# EAGLE board Mk4 Final Panel 8up 4x2 (EAGLE 9.0.1), part 17 of 23 (continued)
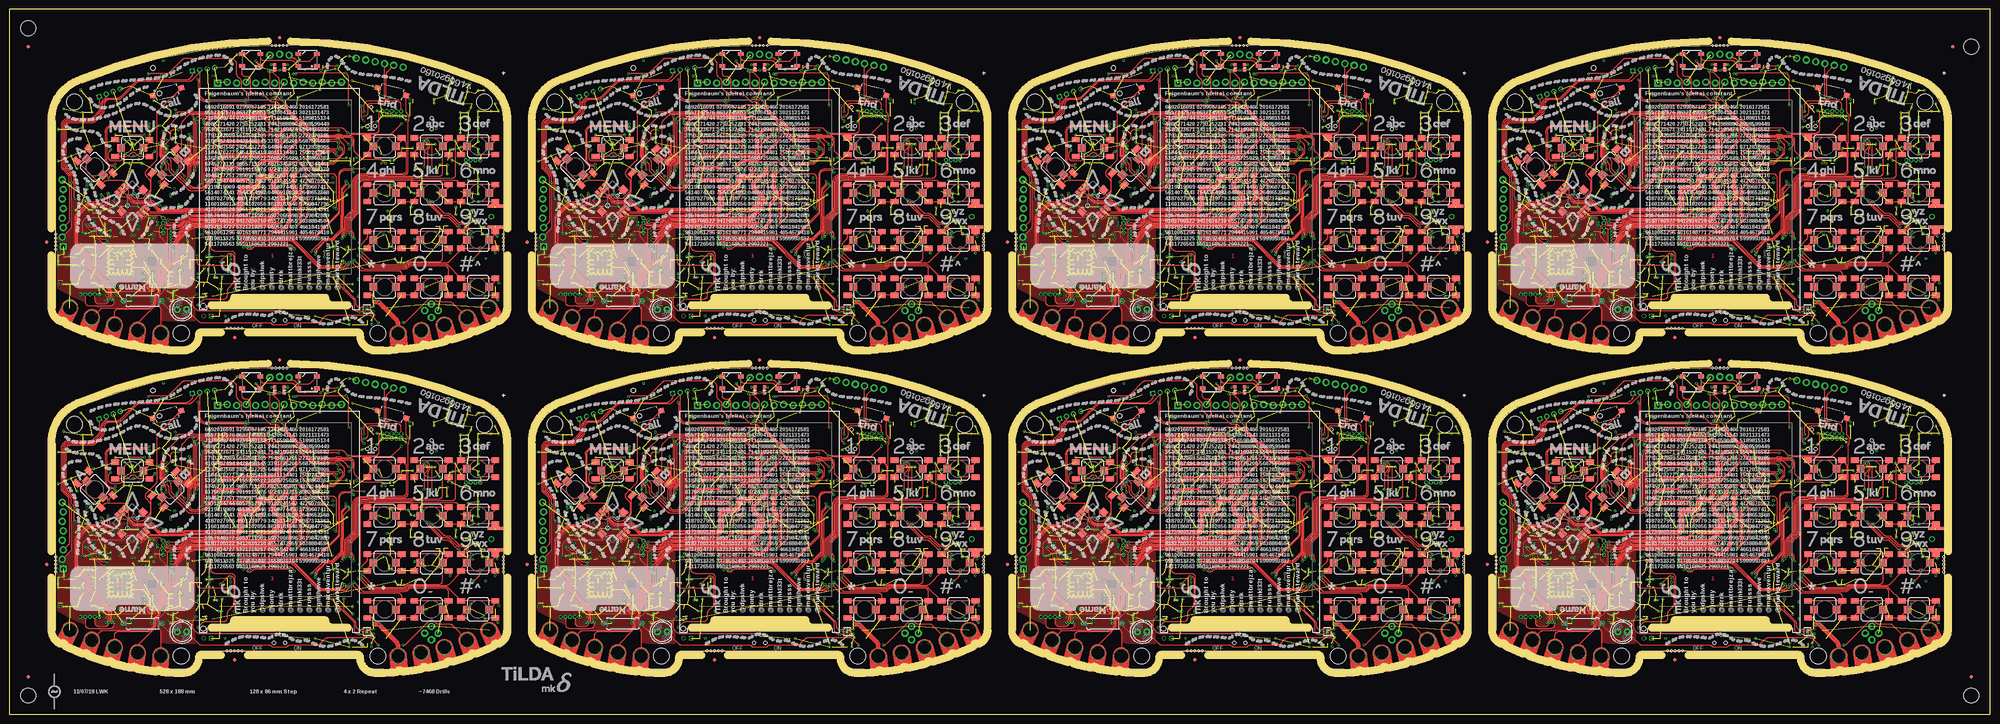
[diagram p0: board, top side]
## Tracks (layer width: path | path; a pad name or v marks a point on that pad's centre or on a via) (continued)
SDRAM_BA0  (via drill 0.3)
  Top 0.15: v50,60 50,60.38 arc-45 50.15,60.73 50.29,60.88 arc90 50.29,62.87 arc-45 50,63.57 v50,72 50.73,72.73 arc-45 51.44,73.03 51.76,73.03 arc-45 52.11,72.88 52.17,72.82 arc45 52.52,72.67 53.39,72.67 arc45 53.74,72.82 53.92,73.01 arc-45 54.63,73.3 56.96,73.3 57.15,73.11 arc90 57.85,73.11 58.02,73.28 67.69,73.28 arc-45 68.05,73.13 68.25,72.93 arc45 68.45,72.84 arc-45 68.8,72.7 v70,71.5
  Bottom 0.15: IC2.50 49.9,71.9 v50,72 | IC2.20 53.91,59.9 arc-45 53.81,59.94 arc45 53.67,60 v50,60 | v70,71.5 arc45 70.2,71.98 IC1.76
SDRAM_BA1  (via drill 0.3)
  Top 0.15: v49.5,59 49.48,59.02 49.48,60.07 arc-45 49.77,60.78 49.98,60.99 arc90 49.98,62.76 49.77,62.97 arc-45 49.48,63.67 49.48,72.72 v49.5,72.75 49.96,73.21 arc-45 50.66,73.5 52.09,73.5 arc-45 52.8,73.21 52.88,73.13 arc90 53.62,73.13 53.8,73.31 arc-45 54.51,73.6 56.86,73.6 57.15,73.89 arc-90 57.85,73.89 58.17,73.58 67.82,73.58 arc-45 68.17,73.43 68.31,73.29 arc45 68.66,73.15 69.5,73.15 arc-90 70.5,72.15 70.5,72.1 arc45 v70.75,71.5
  Bottom 0.15: v49.5,59 54.28,59 IC2.21 | v49.5,72.75 49.45,72.7 IC2.51 | v70.75,71.5 arc-45 70.6,71.86 IC1.77
SDRAM_BA2  (via drill 0.3)
  Top 0.15: v177.5,59 177.47,59.02 177.47,60.07 arc-45 177.77,60.78 177.98,60.99 arc90 177.98,62.76 177.77,62.97 arc-45 177.47,63.67 177.47,72.72 v177.5,72.75 177.96,73.21 arc-45 178.66,73.5 180.09,73.5 arc-45 180.8,73.21 180.88,73.13 arc90 181.62,73.13 181.8,73.31 arc-45 182.51,73.6 184.86,73.6 185.15,73.89 arc-90 185.85,73.89 186.17,73.58 195.82,73.58 arc-45 196.17,73.43 196.31,73.29 arc45 196.66,73.15 197.5,73.15 arc-90 198.5,72.15 198.5,72.1 arc45 v198.75,71.5
  Bottom 0.15: v177.5,59 182.28,59 IC19.21 | v177.5,72.75 177.45,72.7 IC19.51 | v198.75,71.5 arc-45 198.6,71.86 IC20.77
SDRAM_BA3  (via drill 0.3)
  Top 0.15: v178,60 178,60.38 arc-45 178.15,60.73 178.29,60.88 arc90 178.29,62.87 arc-45 178,63.57 v178,72 178.73,72.73 arc-45 179.44,73.03 179.76,73.03 arc-45 180.11,72.88 180.17,72.82 arc45 180.53,72.67 181.38,72.67 arc45 181.74,72.82 181.92,73.01 arc-45 182.63,73.3 184.96,73.3 185.15,73.11 arc90 185.85,73.11 186.02,73.28 195.69,73.28 arc-45 196.05,73.13 196.25,72.93 arc45 196.45,72.84 arc-45 196.8,72.7 v198,71.5
  Bottom 0.15: IC19.50 177.9,71.9 v178,72 | IC19.20 181.91,59.9 arc-45 181.81,59.94 arc45 181.67,60 v178,60 | v198,71.5 arc45 198.2,71.98 IC20.76
SDRAM_BA4  (via drill 0.3)
  Top 0.15: v49.5,145 49.48,145.03 49.48,146.07 arc-45 49.77,146.78 49.98,146.99 arc90 49.98,148.76 49.77,148.97 arc-45 49.48,149.67 49.48,158.72 v49.5,158.75 49.96,159.21 arc-45 50.66,159.5 52.09,159.5 arc-45 52.8,159.21 52.88,159.13 arc90 53.62,159.13 53.8,159.31 arc-45 54.51,159.6 56.86,159.6 57.15,159.89 arc-90 57.85,159.89 58.17,159.57 67.82,159.57 arc-45 68.17,159.43 68.31,159.29 arc45 68.66,159.15 69.5,159.15 arc-90 70.5,158.15 70.5,158.1 arc45 v70.75,157.5
  Bottom 0.15: v49.5,145 54.28,145 IC37.21 | v49.5,158.75 49.45,158.7 IC37.51 | v70.75,157.5 arc-45 70.6,157.86 IC38.77
SDRAM_BA5  (via drill 0.3)
  Top 0.15: v50,146 50,146.38 arc-45 50.15,146.74 50.29,146.88 arc90 50.29,148.87 arc-45 50,149.57 v50,158 50.73,158.73 arc-45 51.44,159.03 51.76,159.03 arc-45 52.11,158.88 52.17,158.82 arc45 52.52,158.68 53.39,158.68 arc45 53.74,158.82 53.92,159.01 arc-45 54.63,159.3 56.96,159.3 57.15,159.11 arc90 57.85,159.11 58.02,159.28 67.69,159.28 arc-45 68.05,159.13 68.25,158.93 arc45 68.45,158.84 arc-45 68.8,158.7 v70,157.5
  Bottom 0.15: IC37.50 49.9,157.9 v50,158 | IC37.20 53.91,145.9 arc-45 53.81,145.94 arc45 53.67,146 v50,146 | v70,157.5 arc45 70.2,157.98 IC38.76
SDRAM_BA6  (via drill 0.3)
  Top 0.15: v177.5,145 177.47,145.03 177.47,146.07 arc-45 177.77,146.78 177.98,146.99 arc90 177.98,148.76 177.77,148.97 arc-45 177.47,149.67 177.47,158.72 v177.5,158.75 177.96,159.21 arc-45 178.66,159.5 180.09,159.5 arc-45 180.8,159.21 180.88,159.13 arc90 181.62,159.13 181.8,159.31 arc-45 182.51,159.6 184.86,159.6 185.15,159.89 arc-90 185.85,159.89 186.17,159.57 195.82,159.57 arc-45 196.17,159.43 196.31,159.29 arc45 196.66,159.15 197.5,159.15 arc-90 198.5,158.15 198.5,158.1 arc45 v198.75,157.5
  Bottom 0.15: v177.5,145 182.28,145 IC55.21 | v177.5,158.75 177.45,158.7 IC55.51 | v198.75,157.5 arc-45 198.6,157.86 IC56.77
SDRAM_BA7  (via drill 0.3)
  Top 0.15: v178,146 178,146.38 arc-45 178.15,146.74 178.29,146.88 arc90 178.29,148.87 arc-45 178,149.57 v178,158 178.73,158.73 arc-45 179.44,159.03 179.76,159.03 arc-45 180.11,158.88 180.17,158.82 arc45 180.53,158.68 181.38,158.68 arc45 181.74,158.82 181.92,159.01 arc-45 182.63,159.3 184.96,159.3 185.15,159.11 arc90 185.85,159.11 186.02,159.28 195.69,159.28 arc-45 196.05,159.13 196.25,158.93 arc45 196.45,158.84 arc-45 196.8,158.7 v198,157.5
  Bottom 0.15: IC55.50 177.9,157.9 v178,158 | IC55.20 181.91,145.9 arc-45 181.81,145.94 arc45 181.67,146 v178,146 | v198,157.5 arc45 198.2,157.98 IC56.76
SDRAM_BA8  (via drill 0.3)
  Top 0.15: v305.5,59 305.48,59.02 305.48,60.07 arc-45 305.77,60.78 305.98,60.99 arc90 305.98,62.76 305.77,62.97 arc-45 305.48,63.67 305.48,72.72 v305.5,72.75 305.96,73.21 arc-45 306.66,73.5 308.09,73.5 arc-45 308.8,73.21 308.88,73.13 arc90 309.62,73.13 309.8,73.31 arc-45 310.51,73.6 312.86,73.6 313.15,73.89 arc-90 313.85,73.89 314.17,73.58 323.82,73.58 arc-45 324.17,73.43 324.31,73.29 arc45 324.66,73.15 325.5,73.15 arc-90 326.5,72.15 326.5,72.1 arc45 v326.75,71.5
  Bottom 0.15: v305.5,59 310.28,59 IC73.21 | v305.5,72.75 305.45,72.7 IC73.51 | v326.75,71.5 arc-45 326.6,71.86 IC74.77
SDRAM_BA9  (via drill 0.3)
  Top 0.15: v306,60 306,60.38 arc-45 306.15,60.73 306.29,60.88 arc90 306.29,62.87 arc-45 306,63.57 v306,72 306.73,72.73 arc-45 307.44,73.03 307.76,73.03 arc-45 308.11,72.88 308.17,72.82 arc45 308.52,72.67 309.38,72.67 arc45 309.74,72.82 309.92,73.01 arc-45 310.63,73.3 312.96,73.3 313.15,73.11 arc90 313.85,73.11 314.02,73.28 323.69,73.28 arc-45 324.05,73.13 324.25,72.93 arc45 324.45,72.84 arc-45 324.8,72.7 v326,71.5
  Bottom 0.15: IC73.50 305.9,71.9 v306,72 | IC73.20 309.91,59.9 arc-45 309.81,59.94 arc45 309.67,60 v306,60 | v326,71.5 arc45 326.2,71.98 IC74.76
SDRAM_BA10  (via drill 0.3)
  Top 0.15: v433.5,59 433.48,59.02 433.48,60.07 arc-45 433.77,60.78 433.98,60.99 arc90 433.98,62.76 433.77,62.97 arc-45 433.48,63.67 433.48,72.72 v433.5,72.75 433.96,73.21 arc-45 434.66,73.5 436.09,73.5 arc-45 436.8,73.21 436.88,73.13 arc90 437.62,73.13 437.8,73.31 arc-45 438.51,73.6 440.86,73.6 441.15,73.89 arc-90 441.85,73.89 442.17,73.58 451.82,73.58 arc-45 452.17,73.43 452.31,73.29 arc45 452.66,73.15 453.5,73.15 arc-90 454.5,72.15 454.5,72.1 arc45 v454.75,71.5
  Bottom 0.15: v433.5,59 438.28,59 IC91.21 | v433.5,72.75 433.45,72.7 IC91.51 | v454.75,71.5 arc-45 454.6,71.86 IC92.77
SDRAM_BA11  (via drill 0.3)
  Top 0.15: v434,60 434,60.38 arc-45 434.15,60.73 434.29,60.88 arc90 434.29,62.87 arc-45 434,63.57 v434,72 434.73,72.73 arc-45 435.44,73.03 435.76,73.03 arc-45 436.11,72.88 436.17,72.82 arc45 436.52,72.67 437.38,72.67 arc45 437.74,72.82 437.92,73.01 arc-45 438.63,73.3 440.96,73.3 441.15,73.11 arc90 441.85,73.11 442.02,73.28 451.69,73.28 arc-45 452.05,73.13 452.25,72.93 arc45 452.45,72.84 arc-45 452.8,72.7 v454,71.5
  Bottom 0.15: IC91.50 433.9,71.9 v434,72 | IC91.20 437.91,59.9 arc-45 437.81,59.94 arc45 437.67,60 v434,60 | v454,71.5 arc45 454.2,71.98 IC92.76
SDRAM_BA12  (via drill 0.3)
  Top 0.15: v305.5,145 305.48,145.03 305.48,146.07 arc-45 305.77,146.78 305.98,146.99 arc90 305.98,148.76 305.77,148.97 arc-45 305.48,149.67 305.48,158.72 v305.5,158.75 305.96,159.21 arc-45 306.66,159.5 308.09,159.5 arc-45 308.8,159.21 308.88,159.13 arc90 309.62,159.13 309.8,159.31 arc-45 310.51,159.6 312.86,159.6 313.15,159.89 arc-90 313.85,159.89 314.17,159.57 323.82,159.57 arc-45 324.17,159.43 324.31,159.29 arc45 324.66,159.15 325.5,159.15 arc-90 326.5,158.15 326.5,158.1 arc45 v326.75,157.5
  Bottom 0.15: v305.5,145 310.28,145 IC109.21 | v305.5,158.75 305.45,158.7 IC109.51 | v326.75,157.5 arc-45 326.6,157.86 IC110.77
SDRAM_BA13  (via drill 0.3)
  Top 0.15: v306,146 306,146.38 arc-45 306.15,146.74 306.29,146.88 arc90 306.29,148.87 arc-45 306,149.57 v306,158 306.73,158.73 arc-45 307.44,159.03 307.76,159.03 arc-45 308.11,158.88 308.17,158.82 arc45 308.52,158.68 309.38,158.68 arc45 309.74,158.82 309.92,159.01 arc-45 310.63,159.3 312.96,159.3 313.15,159.11 arc90 313.85,159.11 314.02,159.28 323.69,159.28 arc-45 324.05,159.13 324.25,158.93 arc45 324.45,158.84 arc-45 324.8,158.7 v326,157.5
  Bottom 0.15: IC109.50 305.9,157.9 v306,158 | IC109.20 309.91,145.9 arc-45 309.81,145.94 arc45 309.67,146 v306,146 | v326,157.5 arc45 326.2,157.98 IC110.76
SDRAM_BA14  (via drill 0.3)
  Top 0.15: v433.5,145 433.48,145.03 433.48,146.07 arc-45 433.77,146.78 433.98,146.99 arc90 433.98,148.76 433.77,148.97 arc-45 433.48,149.67 433.48,158.72 v433.5,158.75 433.96,159.21 arc-45 434.66,159.5 436.09,159.5 arc-45 436.8,159.21 436.88,159.13 arc90 437.62,159.13 437.8,159.31 arc-45 438.51,159.6 440.86,159.6 441.15,159.89 arc-90 441.85,159.89 442.17,159.57 451.82,159.57 arc-45 452.17,159.43 452.31,159.29 arc45 452.66,159.15 453.5,159.15 arc-90 454.5,158.15 454.5,158.1 arc45 v454.75,157.5
  Bottom 0.15: v433.5,145 438.28,145 IC127.21 | v433.5,158.75 433.45,158.7 IC127.51 | v454.75,157.5 arc-45 454.6,157.86 IC128.77
SDRAM_BA15  (via drill 0.3)
  Top 0.15: v434,146 434,146.38 arc-45 434.15,146.74 434.29,146.88 arc90 434.29,148.87 arc-45 434,149.57 v434,158 434.73,158.73 arc-45 435.44,159.03 435.76,159.03 arc-45 436.11,158.88 436.17,158.82 arc45 436.52,158.68 437.38,158.68 arc45 437.74,158.82 437.92,159.01 arc-45 438.63,159.3 440.96,159.3 441.15,159.11 arc90 441.85,159.11 442.02,159.28 451.69,159.28 arc-45 452.05,159.13 452.25,158.93 arc45 452.45,158.84 arc-45 452.8,158.7 v454,157.5
  Bottom 0.15: IC127.50 433.9,157.9 v434,158 | IC127.20 437.91,145.9 arc-45 437.81,145.94 arc45 437.67,146 v434,146 | v454,157.5 arc45 454.2,157.98 IC128.76
SDRAM_CKE  (via drill 0.3)
  Top 0.15: v41.75,61.5 42.21,61.04 arc-45 42.5,60.34 42.5,59.41 arc45 42.79,58.71 47.48,54.02 arc45 48.19,53.73 51.29,53.73 arc45 51.99,54.02 54.68,56.71 arc45 54.98,57.41 54.98,58.5 arc-90 55.98,59.5 64.29,59.5 arc45 65,59.79 66.87,61.66 arc-45 67.93,62.1 70.25,62.1 arc90 72.5,64.35 72.5,65.49 arc-45 72.79,66.19 74.31,67.71 arc-45 75.01,68 v75.5,68
  Bottom 0.15: IC1.104 78.73,68.4 arc45 78.59,68.34 78.53,68.28 arc-45 78.39,68.22 75.75,68.22 75.53,68 v75.5,68 | v41.75,61.5 IC2.37
SDRAM_CKE1  (via drill 0.3)
  Top 0.15: v169.75,61.5 170.21,61.04 arc-45 170.5,60.34 170.5,59.41 arc45 170.79,58.71 175.48,54.02 arc45 176.19,53.73 179.29,53.73 arc45 179.99,54.02 182.68,56.71 arc45 182.97,57.41 182.97,58.5 arc-90 183.97,59.5 192.29,59.5 arc45 193,59.79 194.87,61.66 arc-45 195.93,62.1 198.25,62.1 arc90 200.5,64.35 200.5,65.49 arc-45 200.79,66.19 202.31,67.71 arc-45 203.01,68 v203.5,68
  Bottom 0.15: IC20.104 206.73,68.4 arc45 206.59,68.34 206.53,68.28 arc-45 206.39,68.22 203.75,68.22 203.53,68 v203.5,68 | v169.75,61.5 IC19.37
SDRAM_CKE2  (via drill 0.3)
  Top 0.15: v41.75,147.5 42.21,147.04 arc-45 42.5,146.34 42.5,145.41 arc45 42.79,144.71 47.48,140.02 arc45 48.19,139.72 51.29,139.72 arc45 51.99,140.02 54.68,142.71 arc45 54.98,143.41 54.98,144.5 arc-90 55.98,145.5 64.29,145.5 arc45 65,145.79 66.87,147.66 arc-45 67.93,148.1 70.25,148.1 arc90 72.5,150.35 72.5,151.49 arc-45 72.79,152.19 74.31,153.71 arc-45 75.01,154 v75.5,154
  Bottom 0.15: IC38.104 78.73,154.4 arc45 78.59,154.34 78.53,154.28 arc-45 78.39,154.22 75.75,154.22 75.53,154 v75.5,154 | v41.75,147.5 IC37.37
SDRAM_CKE3  (via drill 0.3)
  Top 0.15: v169.75,147.5 170.21,147.04 arc-45 170.5,146.34 170.5,145.41 arc45 170.79,144.71 175.48,140.02 arc45 176.19,139.72 179.29,139.72 arc45 179.99,140.02 182.68,142.71 arc45 182.97,143.41 182.97,144.5 arc-90 183.97,145.5 192.29,145.5 arc45 193,145.79 194.87,147.66 arc-45 195.93,148.1 198.25,148.1 arc90 200.5,150.35 200.5,151.49 arc-45 200.79,152.19 202.31,153.71 arc-45 203.01,154 v203.5,154
  Bottom 0.15: IC56.104 206.73,154.4 arc45 206.59,154.34 206.53,154.28 arc-45 206.39,154.22 203.75,154.22 203.53,154 v203.5,154 | v169.75,147.5 IC55.37
SDRAM_CKE4  (via drill 0.3)
  Top 0.15: v297.75,61.5 298.21,61.04 arc-45 298.5,60.34 298.5,59.41 arc45 298.79,58.71 303.48,54.02 arc45 304.19,53.73 307.29,53.73 arc45 307.99,54.02 310.68,56.71 arc45 310.98,57.41 310.98,58.5 arc-90 311.98,59.5 320.29,59.5 arc45 321,59.79 322.87,61.66 arc-45 323.93,62.1 326.25,62.1 arc90 328.5,64.35 328.5,65.49 arc-45 328.79,66.19 330.31,67.71 arc-45 331.01,68 v331.5,68
  Bottom 0.15: IC74.104 334.73,68.4 arc45 334.59,68.34 334.53,68.28 arc-45 334.39,68.22 331.75,68.22 331.52,68 v331.5,68 | v297.75,61.5 IC73.37
SDRAM_CKE5  (via drill 0.3)
  Top 0.15: v425.75,61.5 426.21,61.04 arc-45 426.5,60.34 426.5,59.41 arc45 426.79,58.71 431.48,54.02 arc45 432.19,53.73 435.29,53.73 arc45 435.99,54.02 438.68,56.71 arc45 438.98,57.41 438.98,58.5 arc-90 439.98,59.5 448.29,59.5 arc45 449,59.79 450.87,61.66 arc-45 451.93,62.1 454.25,62.1 arc90 456.5,64.35 456.5,65.49 arc-45 456.79,66.19 458.31,67.71 arc-45 459.01,68 v459.5,68
  Bottom 0.15: IC92.104 462.73,68.4 arc45 462.59,68.34 462.53,68.28 arc-45 462.39,68.22 459.75,68.22 459.52,68 v459.5,68 | v425.75,61.5 IC91.37
SDRAM_CKE6  (via drill 0.3)
  Top 0.15: v297.75,147.5 298.21,147.04 arc-45 298.5,146.34 298.5,145.41 arc45 298.79,144.71 303.48,140.02 arc45 304.19,139.72 307.29,139.72 arc45 307.99,140.02 310.68,142.71 arc45 310.98,143.41 310.98,144.5 arc-90 311.98,145.5 320.29,145.5 arc45 321,145.79 322.87,147.66 arc-45 323.93,148.1 326.25,148.1 arc90 328.5,150.35 328.5,151.49 arc-45 328.79,152.19 330.31,153.71 arc-45 331.01,154 v331.5,154
  Bottom 0.15: IC110.104 334.73,154.4 arc45 334.59,154.34 334.53,154.28 arc-45 334.39,154.22 331.75,154.22 331.52,154 v331.5,154 | v297.75,147.5 IC109.37
SDRAM_CKE7  (via drill 0.3)
  Top 0.15: v425.75,147.5 426.21,147.04 arc-45 426.5,146.34 426.5,145.41 arc45 426.79,144.71 431.48,140.02 arc45 432.19,139.72 435.29,139.72 arc45 435.99,140.02 438.68,142.71 arc45 438.98,143.41 438.98,144.5 arc-90 439.98,145.5 448.29,145.5 arc45 449,145.79 450.87,147.66 arc-45 451.93,148.1 454.25,148.1 arc90 456.5,150.35 456.5,151.49 arc-45 456.79,152.19 458.31,153.71 arc-45 459.01,154 v459.5,154
  Bottom 0.15: IC128.104 462.73,154.4 arc45 462.59,154.34 462.53,154.28 arc-45 462.39,154.22 459.75,154.22 459.52,154 v459.5,154 | v425.75,147.5 IC127.37
SDRAM_CLK  (via drill 0.3)
  Top 0.15: v45,70 44,70 arc90 43,69 43,67.5 41.52,66.02 arc45 41.48,65.91 arc-45 41.33,65.55 41.25,65.47 arc45 41.1,65.12 41.1,63.28 arc45 41.17,63.1 41.4,62.87 arc-45 41.48,62.7 41.48,62.52 v41.7,62.3 | v53.23,70.5 v62.25,70.5
  Bottom 0.15: v53.23,70.5 52.17,70.5 arc-45 51.86,70.63 arc45 51.51,70.78 46.19,70.78 arc45 45.48,70.48 v45,70 | IC1.62 62.35,70.4 v62.25,70.5 | IC2.38 v41.7,62.3
SDRAM_CLK1  (via drill 0.3)
  Top 0.15: v173,70 172,70 arc90 171,69 171,67.5 169.52,66.02 arc45 169.47,65.91 arc-45 169.33,65.55 169.25,65.47 arc45 169.1,65.12 169.1,63.28 arc45 169.17,63.1 169.4,62.87 arc-45 169.47,62.7 169.47,62.52 v169.7,62.3 | v181.23,70.5 v190.25,70.5
  Bottom 0.15: v181.23,70.5 180.17,70.5 arc-45 179.86,70.63 arc45 179.51,70.78 174.19,70.78 arc45 173.48,70.48 v173,70 | IC20.62 190.35,70.4 v190.25,70.5 | IC19.38 v169.7,62.3
SDRAM_CLK2  (via drill 0.3)
  Top 0.15: v45,156 44,156 arc90 43,155 43,153.5 41.52,152.02 arc45 41.48,151.91 arc-45 41.33,151.55 41.25,151.47 arc45 41.1,151.12 41.1,149.28 arc45 41.17,149.1 41.4,148.87 arc-45 41.48,148.7 41.48,148.53 v41.7,148.3 | v53.23,156.5 v62.25,156.5
  Bottom 0.15: v53.23,156.5 52.17,156.5 arc-45 51.86,156.63 arc45 51.51,156.78 46.19,156.78 arc45 45.48,156.48 v45,156 | IC38.62 62.35,156.4 v62.25,156.5 | IC37.38 v41.7,148.3
SDRAM_CLK3  (via drill 0.3)
  Top 0.15: v173,156 172,156 arc90 171,155 171,153.5 169.52,152.02 arc45 169.47,151.91 arc-45 169.33,151.55 169.25,151.47 arc45 169.1,151.12 169.1,149.28 arc45 169.17,149.1 169.4,148.87 arc-45 169.47,148.7 169.47,148.53 v169.7,148.3 | v181.23,156.5 v190.25,156.5
  Bottom 0.15: v181.23,156.5 180.17,156.5 arc-45 179.86,156.63 arc45 179.51,156.78 174.19,156.78 arc45 173.48,156.48 v173,156 | IC56.62 190.35,156.4 v190.25,156.5 | IC55.38 v169.7,148.3
SDRAM_CLK4  (via drill 0.3)
  Top 0.15: v301,70 300,70 arc90 299,69 299,67.5 297.52,66.02 arc45 297.48,65.91 arc-45 297.33,65.55 297.25,65.47 arc45 297.1,65.12 297.1,63.28 arc45 297.17,63.1 297.4,62.87 arc-45 297.48,62.7 297.48,62.52 v297.7,62.3 | v309.23,70.5 v318.25,70.5
  Bottom 0.15: v309.23,70.5 308.17,70.5 arc-45 307.86,70.63 arc45 307.51,70.78 302.19,70.78 arc45 301.48,70.48 v301,70 | IC74.62 318.35,70.4 v318.25,70.5 | IC73.38 v297.7,62.3
SDRAM_CLK5  (via drill 0.3)
  Top 0.15: v429,70 428,70 arc90 427,69 427,67.5 425.52,66.02 arc45 425.48,65.91 arc-45 425.33,65.55 425.25,65.47 arc45 425.1,65.12 425.1,63.28 arc45 425.17,63.1 425.4,62.87 arc-45 425.48,62.7 425.48,62.52 v425.7,62.3 | v437.23,70.5 v446.25,70.5
  Bottom 0.15: v437.23,70.5 436.17,70.5 arc-45 435.86,70.63 arc45 435.51,70.78 430.19,70.78 arc45 429.48,70.48 v429,70 | IC92.62 446.35,70.4 v446.25,70.5 | IC91.38 v425.7,62.3
SDRAM_CLK6  (via drill 0.3)
  Top 0.15: v301,156 300,156 arc90 299,155 299,153.5 297.52,152.02 arc45 297.48,151.91 arc-45 297.33,151.55 297.25,151.47 arc45 297.1,151.12 297.1,149.28 arc45 297.17,149.1 297.4,148.87 arc-45 297.48,148.7 297.48,148.53 v297.7,148.3 | v309.23,156.5 v318.25,156.5
  Bottom 0.15: v309.23,156.5 308.17,156.5 arc-45 307.86,156.63 arc45 307.51,156.78 302.19,156.78 arc45 301.48,156.48 v301,156 | IC110.62 318.35,156.4 v318.25,156.5 | IC109.38 v297.7,148.3
SDRAM_CLK7  (via drill 0.3)
  Top 0.15: v429,156 428,156 arc90 427,155 427,153.5 425.52,152.02 arc45 425.48,151.91 arc-45 425.33,151.55 425.25,151.47 arc45 425.1,151.12 425.1,149.28 arc45 425.17,149.1 425.4,148.87 arc-45 425.48,148.7 425.48,148.53 v425.7,148.3 | v437.23,156.5 v446.25,156.5
  Bottom 0.15: v437.23,156.5 436.17,156.5 arc-45 435.86,156.63 arc45 435.51,156.78 430.19,156.78 arc45 429.48,156.48 v429,156 | IC128.62 446.35,156.4 v446.25,156.5 | IC127.38 v425.7,148.3
SDRAM_D1  (via drill 0.3)
  Top 0.15: v198,74.5 196.94,74.5 arc-45 196.88,74.47 186.54,74.47 186.38,74.63 arc90 184.62,74.63 184.61,74.62 173.29,74.62 arc45 172.58,74.33 v172.5,74.25
  Bottom 0.15: IC19.53 172.45,74.3 v172.5,74.25 | IC20.78 199,73.53 arc90 198.8,73.72 198.68,73.72 arc-90 198.47,73.92 198.47,73.94 arc45 198.42,74.08 v198,74.5
SDRAM_D2  (via drill 0.3)
  Top 0.15: v70,160.5 68.94,160.5 arc-45 68.88,160.47 58.54,160.47 58.38,160.63 arc90 56.62,160.63 56.61,160.62 45.29,160.62 arc45 44.58,160.33 v44.5,160.25
  Bottom 0.15: IC37.53 44.45,160.3 v44.5,160.25 | IC38.78 71,159.53 arc90 70.8,159.72 70.67,159.72 arc-90 70.47,159.93 70.47,159.94 arc45 70.42,160.08 v70,160.5
SDRAM_D3  (via drill 0.3)
  Top 0.15: v198,160.5 196.94,160.5 arc-45 196.88,160.47 186.54,160.47 186.38,160.63 arc90 184.62,160.63 184.61,160.62 173.29,160.62 arc45 172.58,160.33 v172.5,160.25
  Bottom 0.15: IC55.53 172.45,160.3 v172.5,160.25 | IC56.78 199,159.53 arc90 198.8,159.72 198.68,159.72 arc-90 198.47,159.93 198.47,159.94 arc45 198.42,160.08 v198,160.5
SDRAM_D4  (via drill 0.3)
  Top 0.15: v326,74.5 324.94,74.5 arc-45 324.88,74.47 314.54,74.47 314.38,74.63 arc90 312.62,74.63 312.61,74.62 301.29,74.62 arc45 300.58,74.33 v300.5,74.25
  Bottom 0.15: IC73.53 300.45,74.3 v300.5,74.25 | IC74.78 327,73.53 arc90 326.8,73.72 326.68,73.72 arc-90 326.48,73.92 326.48,73.94 arc45 326.42,74.08 v326,74.5
SDRAM_D5  (via drill 0.3)
  Top 0.15: v454,74.5 452.94,74.5 arc-45 452.88,74.47 442.54,74.47 442.38,74.63 arc90 440.62,74.63 440.61,74.62 429.29,74.62 arc45 428.58,74.33 v428.5,74.25
  Bottom 0.15: IC91.53 428.45,74.3 v428.5,74.25 | IC92.78 455,73.53 arc90 454.8,73.72 454.68,73.72 arc-90 454.48,73.92 454.48,73.94 arc45 454.42,74.08 v454,74.5
SDRAM_D6  (via drill 0.3)
  Top 0.15: v326,160.5 324.94,160.5 arc-45 324.88,160.47 314.54,160.47 314.38,160.63 arc90 312.62,160.63 312.61,160.62 301.29,160.62 arc45 300.58,160.33 v300.5,160.25
  Bottom 0.15: IC109.53 300.45,160.3 v300.5,160.25 | IC110.78 327,159.53 arc90 326.8,159.72 326.68,159.72 arc-90 326.48,159.93 326.48,159.94 arc45 326.42,160.08 v326,160.5
SDRAM_D7  (via drill 0.3)
  Top 0.15: v454,160.5 452.94,160.5 arc-45 452.88,160.47 442.54,160.47 442.38,160.63 arc90 440.62,160.63 440.61,160.62 429.29,160.62 arc45 428.58,160.33 v428.5,160.25
  Bottom 0.15: IC127.53 428.45,160.3 v428.5,160.25 | IC128.78 455,159.53 arc90 454.8,159.72 454.68,159.72 arc-90 454.48,159.93 454.48,159.94 arc45 454.42,160.08 v454,160.5
SDRAM_D15  (via drill 0.3)
  Top 0.15: v70,74.5 68.94,74.5 arc-45 68.88,74.47 58.54,74.47 58.38,74.63 arc90 56.62,74.63 56.61,74.62 45.29,74.62 arc45 44.58,74.33 v44.5,74.25
  Bottom 0.15: IC2.53 44.45,74.3 v44.5,74.25 | IC1.78 71,73.53 arc90 70.8,73.72 70.67,73.72 arc-90 70.47,73.92 70.47,73.94 arc45 70.42,74.08 v70,74.5
SDRAM_DQMH  (via drill 0.3)
  Top 0.15: v45.75,63.75 arc45 46,64.35 46,71.59 arc-45 46.29,72.29 47.73,73.73 arc-45 48.44,74.03 56.86,74.03 56.97,74.14 arc-90 58.03,74.14 58.29,73.88 67.94,73.88 arc-45 68.29,73.73 68.43,73.59 arc45 68.78,73.44 70.14,73.44 arc-45 70.85,73.15 71.46,72.54 arc-45 71.75,71.84 v71.75,70
  Bottom 0.15: IC2.39 43.19,63.1 arc45 43.89,63.39 43.96,63.46 arc-45 44.66,63.75 v45.75,63.75 | IC1.82 72.6,71.26 arc-45 72.31,70.56 v71.75,70
SDRAM_DQMH1  (via drill 0.3)
  Top 0.15: v173.75,63.75 arc45 174,64.35 174,71.59 arc-45 174.29,72.29 175.73,73.73 arc-45 176.44,74.03 184.86,74.03 184.97,74.14 arc-90 186.03,74.14 186.29,73.88 195.94,73.88 arc-45 196.29,73.73 196.43,73.59 arc45 196.78,73.44 198.14,73.44 arc-45 198.85,73.15 199.46,72.54 arc-45 199.75,71.84 v199.75,70
  Bottom 0.15: IC19.39 171.19,63.1 arc45 171.89,63.39 171.96,63.46 arc-45 172.66,63.75 v173.75,63.75 | IC20.82 200.6,71.26 arc-45 200.31,70.56 v199.75,70
SDRAM_DQMH2  (via drill 0.3)
  Top 0.15: v45.75,149.75 arc45 46,150.35 46,157.59 arc-45 46.29,158.29 47.73,159.73 arc-45 48.44,160.03 56.86,160.03 56.97,160.14 arc-90 58.03,160.14 58.29,159.88 67.94,159.88 arc-45 68.29,159.73 68.43,159.59 arc45 68.78,159.44 70.14,159.44 arc-45 70.85,159.15 71.46,158.54 arc-45 71.75,157.84 v71.75,156
  Bottom 0.15: IC37.39 43.19,149.1 arc45 43.89,149.39 43.96,149.46 arc-45 44.66,149.75 v45.75,149.75 | IC38.82 72.6,157.26 arc-45 72.31,156.56 v71.75,156
SDRAM_DQMH3  (via drill 0.3)
  Top 0.15: v173.75,149.75 arc45 174,150.35 174,157.59 arc-45 174.29,158.29 175.73,159.73 arc-45 176.44,160.03 184.86,160.03 184.97,160.14 arc-90 186.03,160.14 186.29,159.88 195.94,159.88 arc-45 196.29,159.73 196.43,159.59 arc45 196.78,159.44 198.14,159.44 arc-45 198.85,159.15 199.46,158.54 arc-45 199.75,157.84 v199.75,156
  Bottom 0.15: IC55.39 171.19,149.1 arc45 171.89,149.39 171.96,149.46 arc-45 172.66,149.75 v173.75,149.75 | IC56.82 200.6,157.26 arc-45 200.31,156.56 v199.75,156
SDRAM_DQMH4  (via drill 0.3)
  Top 0.15: v301.75,63.75 arc45 302,64.35 302,71.59 arc-45 302.29,72.29 303.73,73.73 arc-45 304.44,74.03 312.86,74.03 312.97,74.14 arc-90 314.03,74.14 314.29,73.88 323.94,73.88 arc-45 324.29,73.73 324.43,73.59 arc45 324.78,73.44 326.14,73.44 arc-45 326.85,73.15 327.46,72.54 arc-45 327.75,71.84 v327.75,70
  Bottom 0.15: IC73.39 299.19,63.1 arc45 299.89,63.39 299.96,63.46 arc-45 300.66,63.75 v301.75,63.75 | IC74.82 328.6,71.26 arc-45 328.31,70.56 v327.75,70
SDRAM_DQMH5  (via drill 0.3)
  Top 0.15: v429.75,63.75 arc45 430,64.35 430,71.59 arc-45 430.29,72.29 431.73,73.73 arc-45 432.44,74.03 440.86,74.03 440.97,74.14 arc-90 442.03,74.14 442.29,73.88 451.94,73.88 arc-45 452.29,73.73 452.43,73.59 arc45 452.79,73.44 454.14,73.44 arc-45 454.85,73.15 455.46,72.54 arc-45 455.75,71.84 v455.75,70
  Bottom 0.15: IC91.39 427.19,63.1 arc45 427.89,63.39 427.96,63.46 arc-45 428.66,63.75 v429.75,63.75 | IC92.82 456.6,71.26 arc-45 456.31,70.56 v455.75,70
SDRAM_DQMH6  (via drill 0.3)
  Top 0.15: v301.75,149.75 arc45 302,150.35 302,157.59 arc-45 302.29,158.29 303.73,159.73 arc-45 304.44,160.03 312.86,160.03 312.97,160.14 arc-90 314.03,160.14 314.29,159.88 323.94,159.88 arc-45 324.29,159.73 324.43,159.59 arc45 324.78,159.44 326.14,159.44 arc-45 326.85,159.15 327.46,158.54 arc-45 327.75,157.84 v327.75,156
  Bottom 0.15: IC109.39 299.19,149.1 arc45 299.89,149.39 299.96,149.46 arc-45 300.66,149.75 v301.75,149.75 | IC110.82 328.6,157.26 arc-45 328.31,156.56 v327.75,156
SDRAM_DQMH7  (via drill 0.3)
  Top 0.15: v429.75,149.75 arc45 430,150.35 430,157.59 arc-45 430.29,158.29 431.73,159.73 arc-45 432.44,160.03 440.86,160.03 440.97,160.14 arc-90 442.03,160.14 442.29,159.88 451.94,159.88 arc-45 452.29,159.73 452.43,159.59 arc45 452.79,159.44 454.14,159.44 arc-45 454.85,159.15 455.46,158.54 arc-45 455.75,157.84 v455.75,156
  Bottom 0.15: IC127.39 427.19,149.1 arc45 427.89,149.39 427.96,149.46 arc-45 428.66,149.75 v429.75,149.75 | IC128.82 456.6,157.26 arc-45 456.31,156.56 v455.75,156
SDRAM_DQML  (via drill 0.3)